# Altium PCB MioMicro.PcbDoc
Units mil, origin at the board's own origin, x right, y up, seen from the top; angles counter-clockwise.
Board outline 1750 x 1115 mil, 6 copper layers (Top Layer 1, GND_Layer, Top signal, VCC_Layer, Bottom signal, Bottom Layer 1), stack 32.112 mil thick; 44 components, 49 nets, 229 pads, 45 vias.
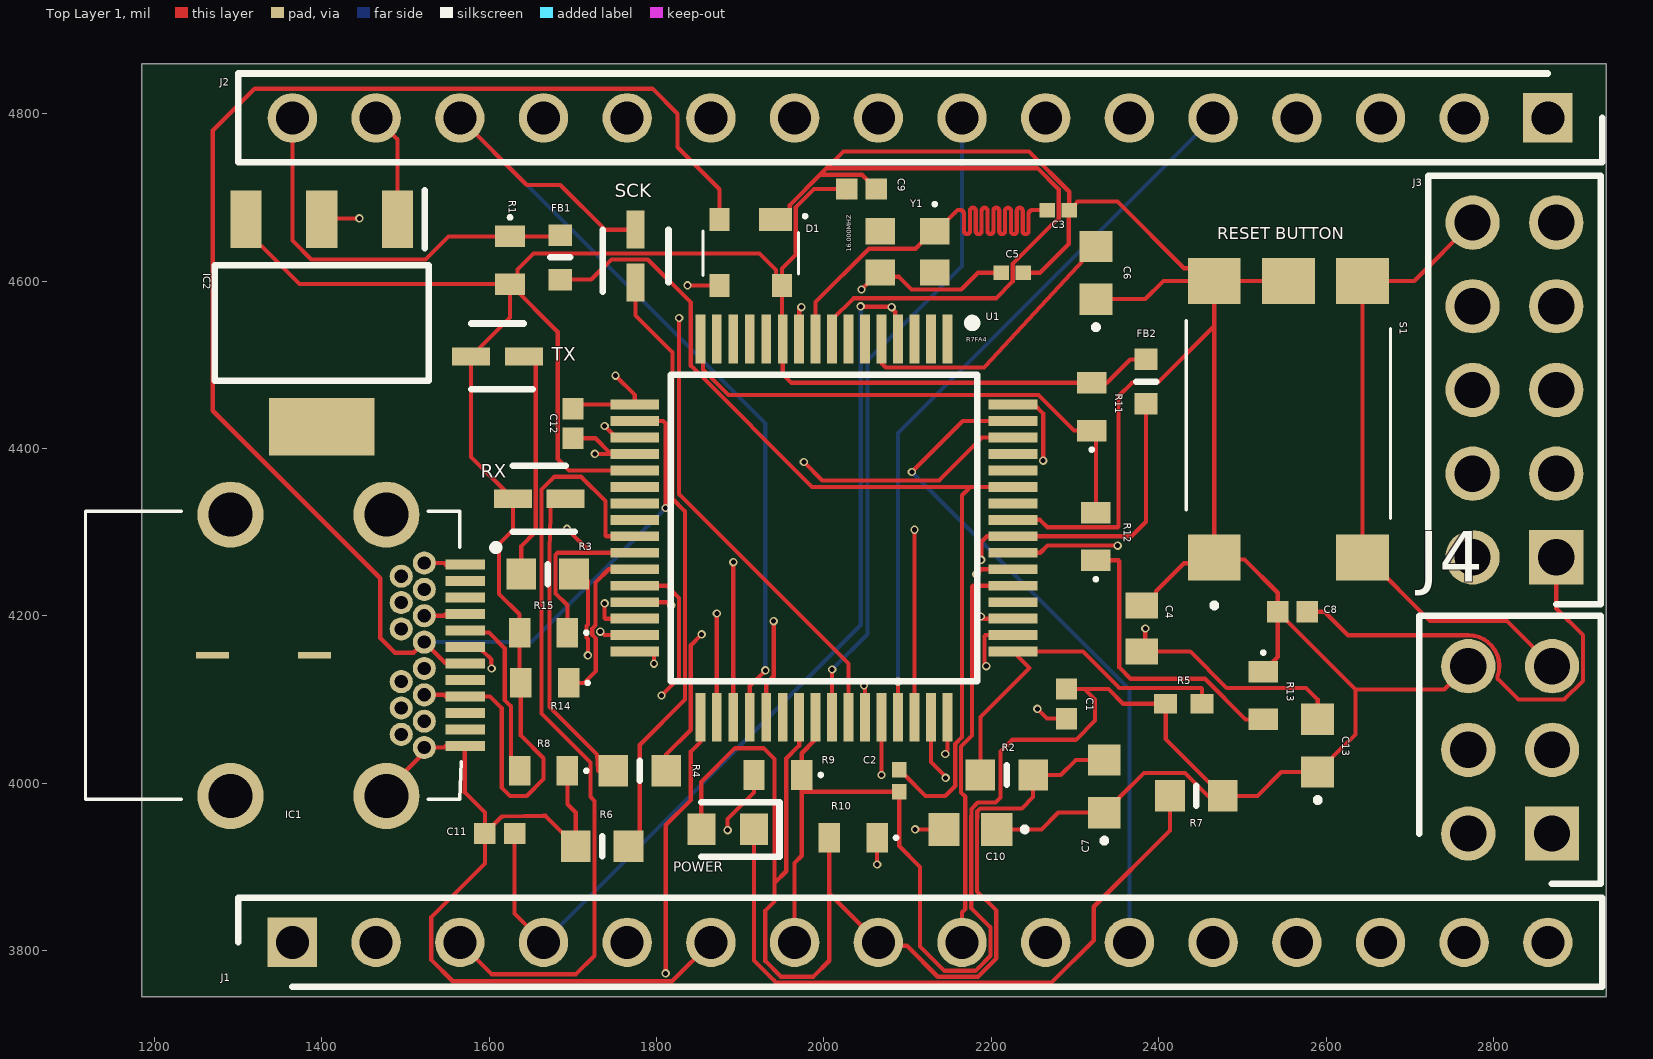
[diagram p0: Top Layer 1 view]
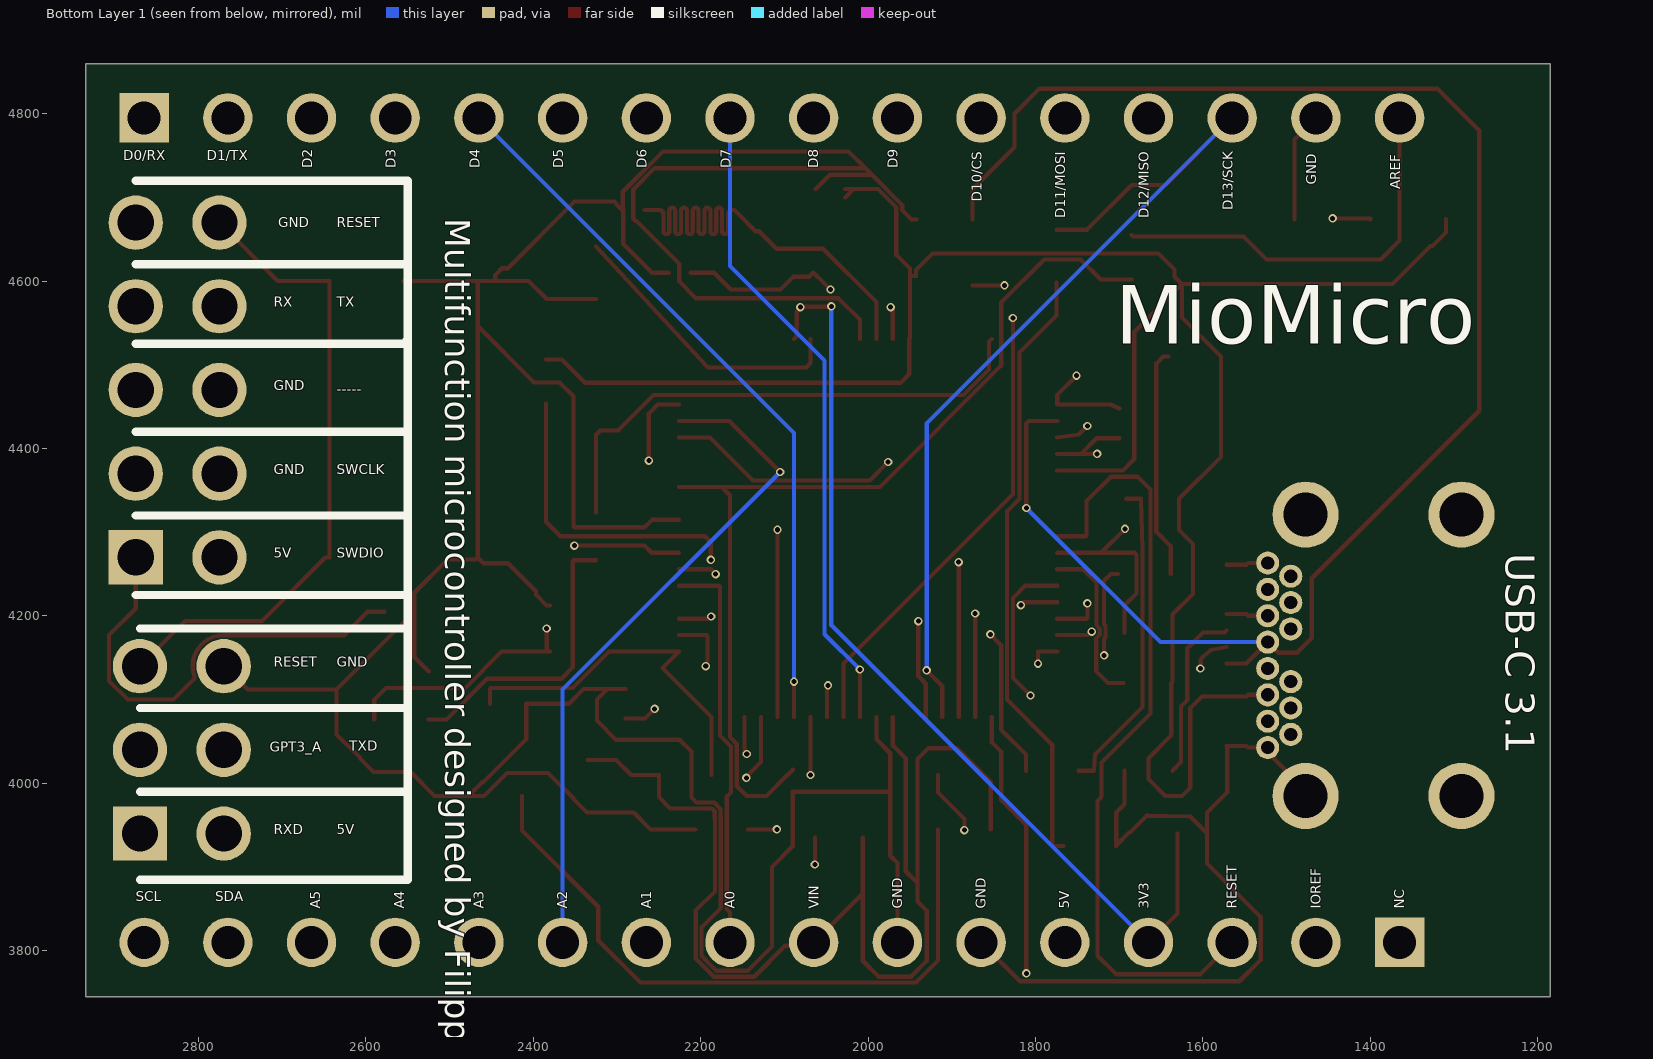
[diagram p1: Bottom Layer 1 view, seen from below]
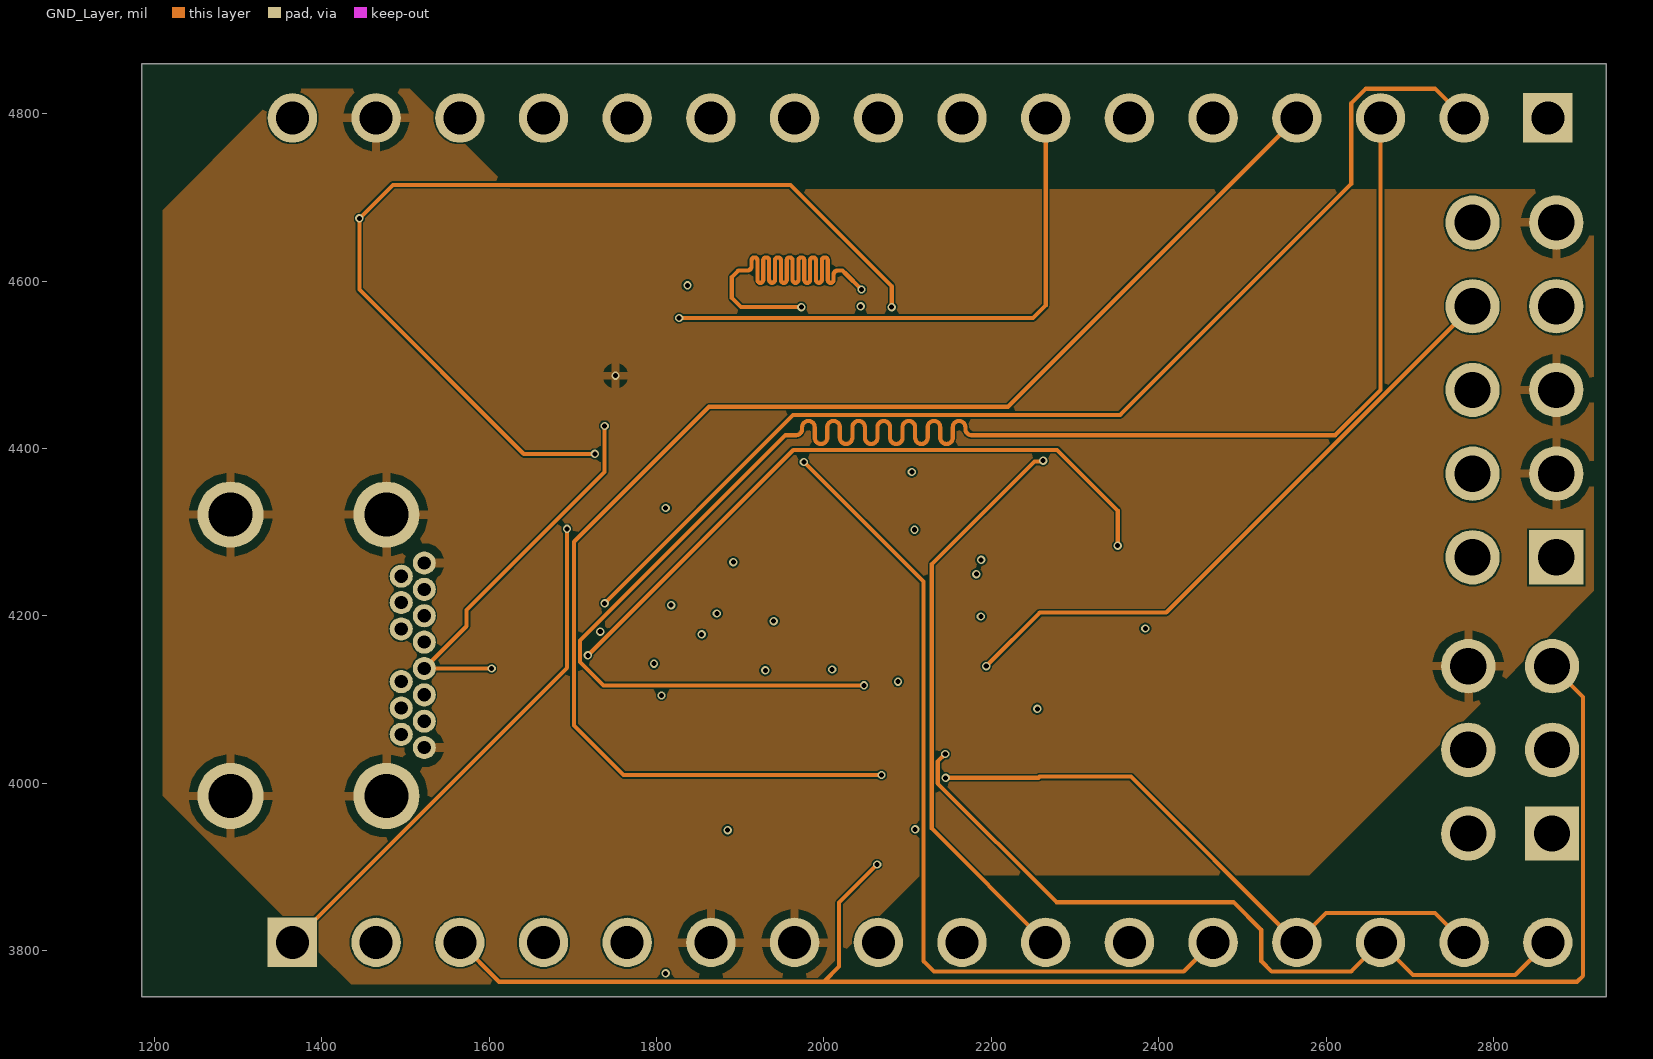
[diagram p2: GND_Layer]
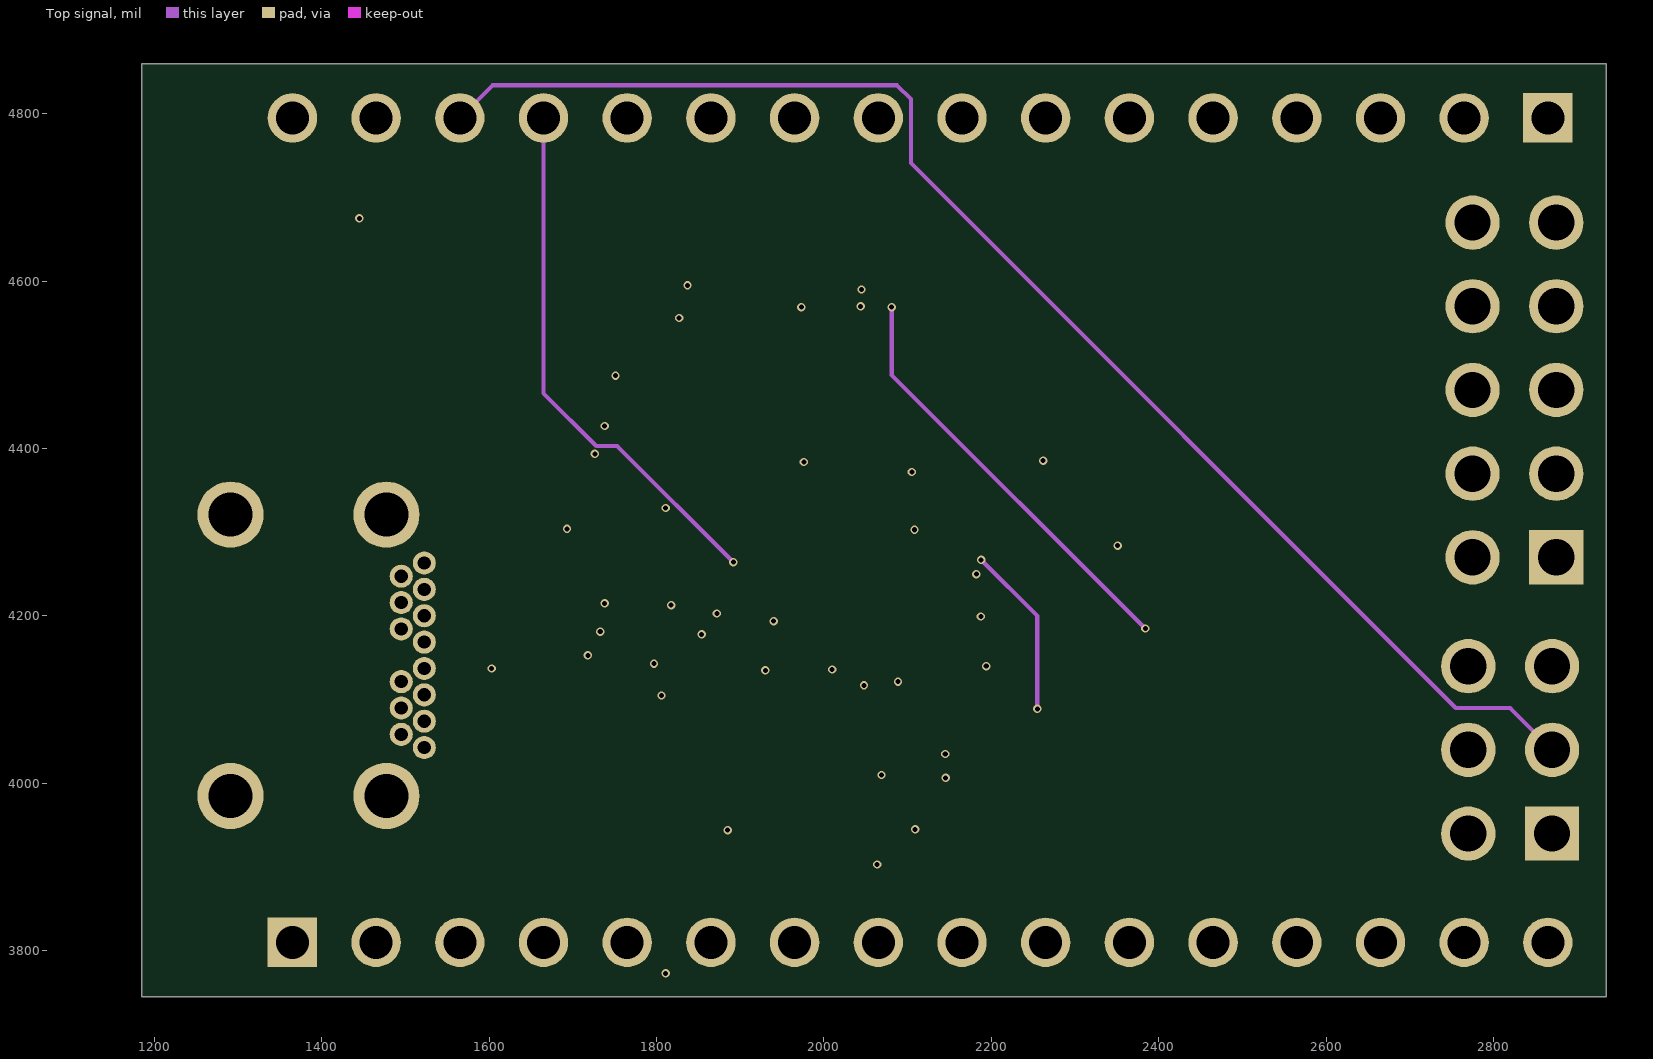
[diagram p3: Top signal]
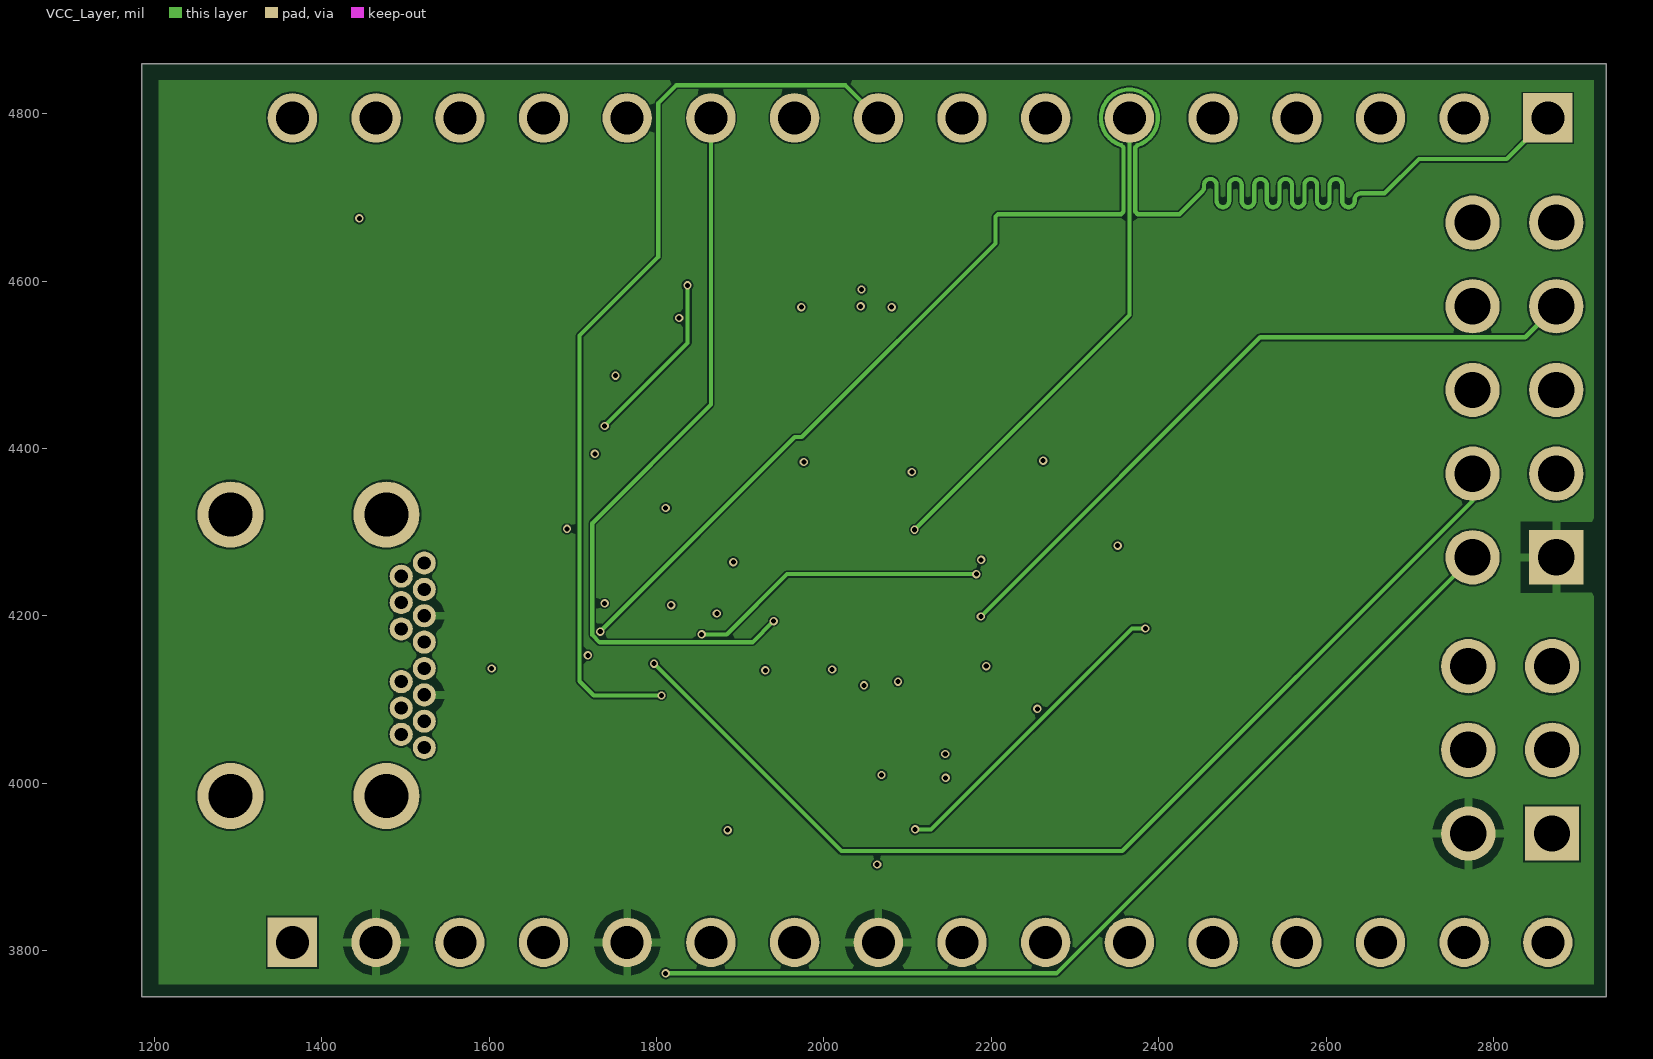
[diagram p4: VCC_Layer]
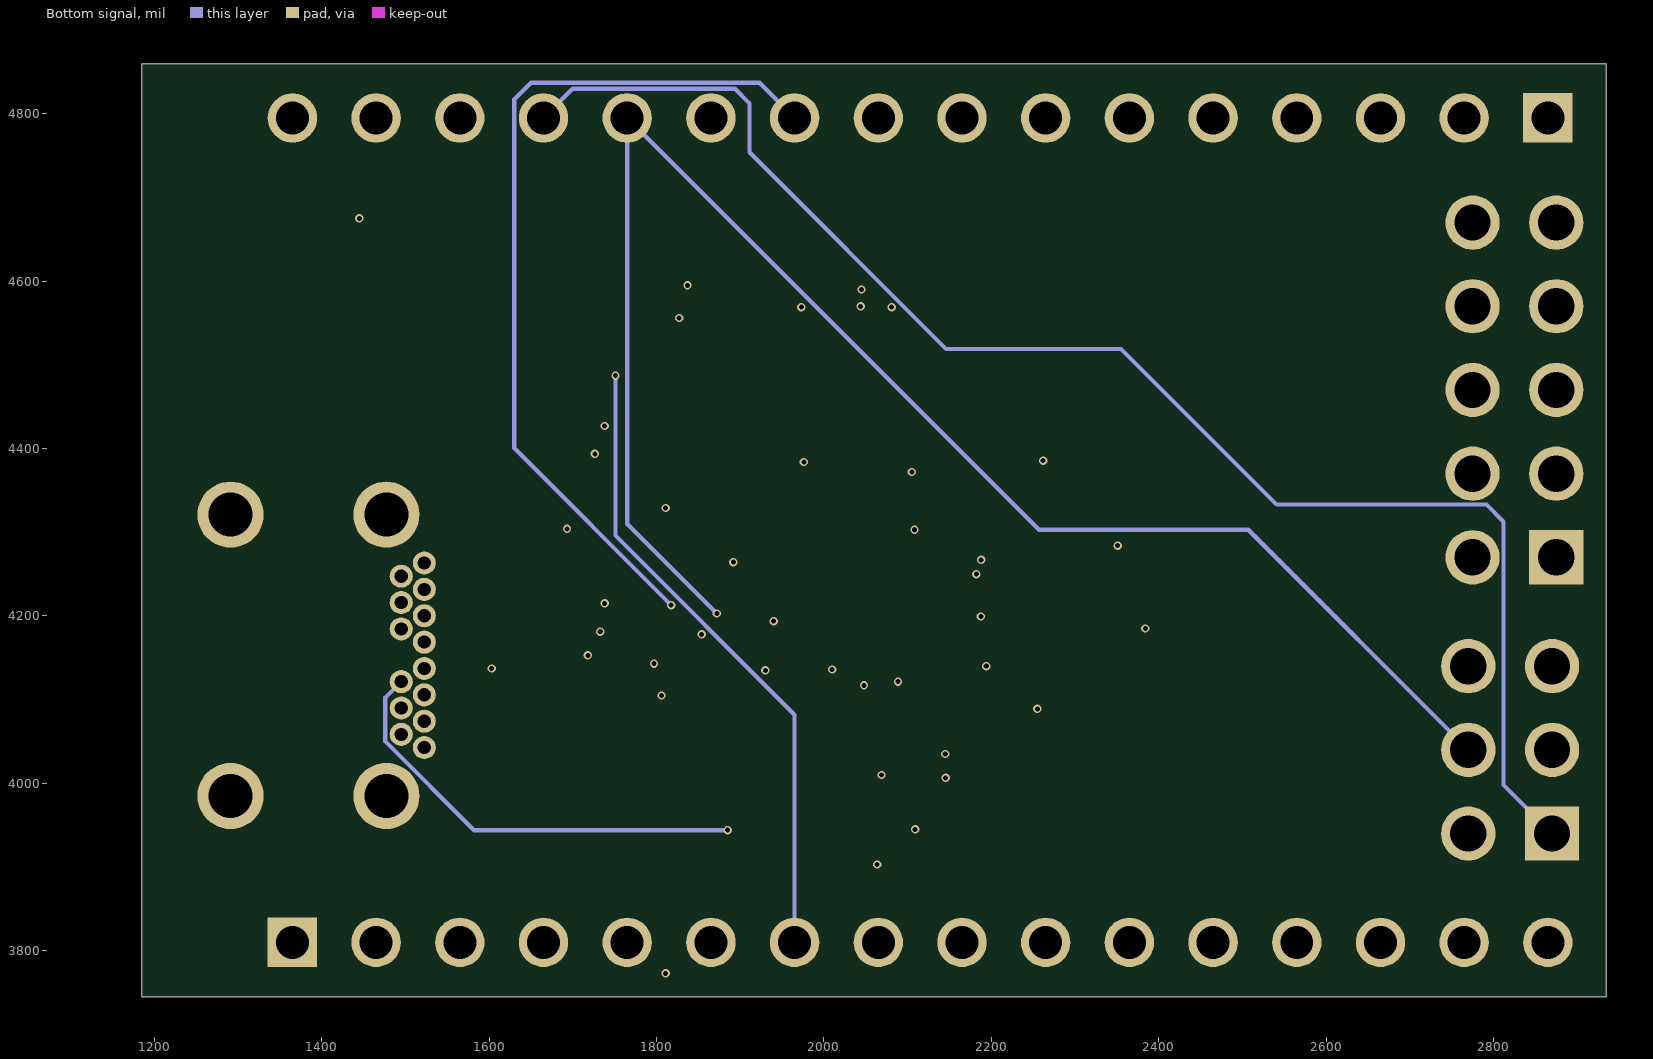
[diagram p5: Bottom signal]
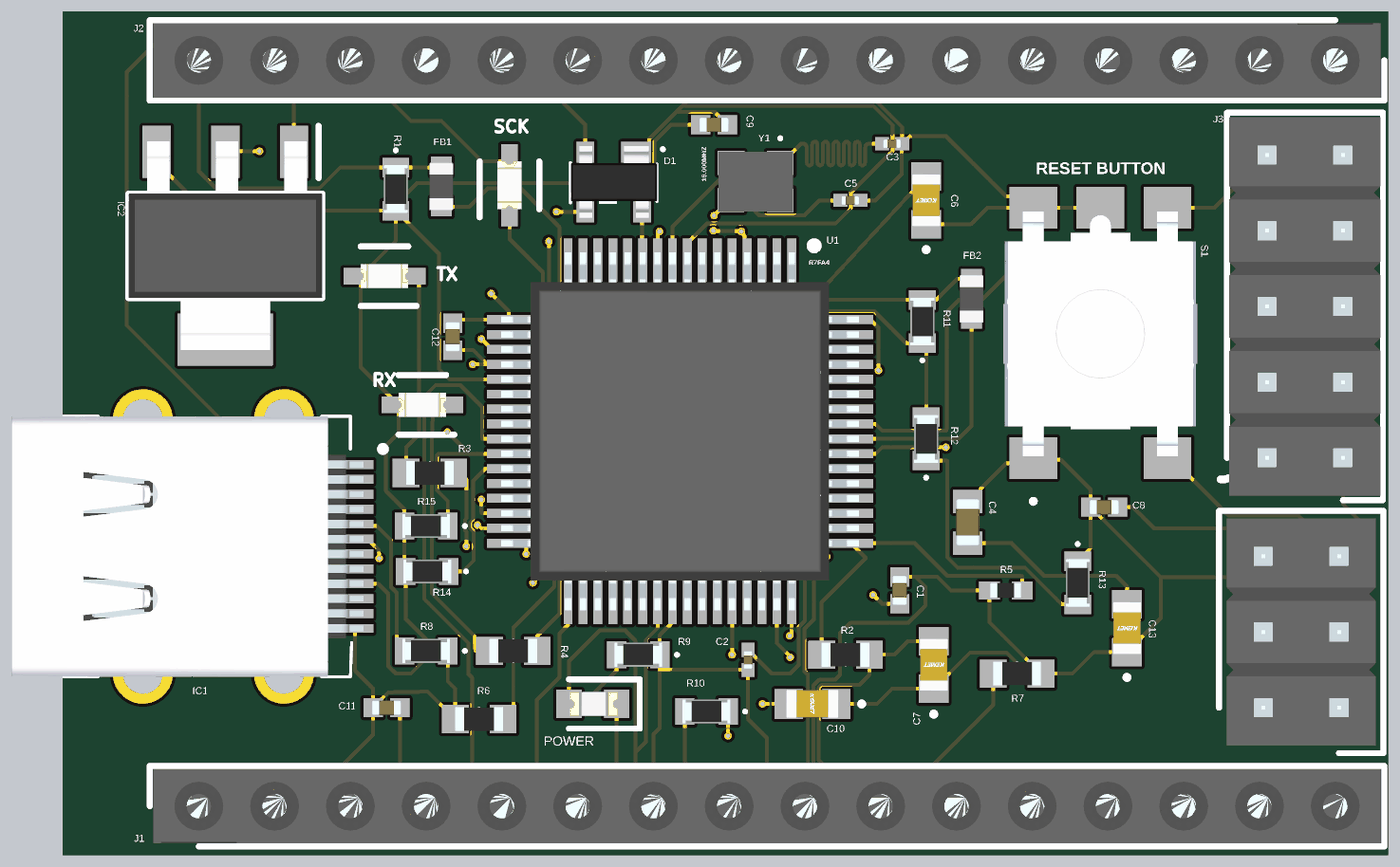
[diagram p6: 3D render of the assembled board from above, using the file's embedded part models]

## Layer stack, top to bottom
Top Solder: solder mask 0.4, Solder Resist, Dk 3.5
Top Layer 1: signal copper 1.378
Dielectric 4: prepreg 2.8, PP-006, Dk 4.1
GND_Layer: signal copper 1.4
Dielectric 2: prepreg 2.8, PP-006, Dk 4.1
Top signal: signal copper 1.378
Dielectric 1: dielectric 12.6, FR-4, Dk 4.8
VCC_Layer: signal copper 1.378
Dielectric 3: prepreg 2.8, PP-006, Dk 4.1
Bottom signal: signal copper 1.4
Dielectric 5: prepreg 2.8, PP-006, Dk 4.1
Bottom Layer 1: signal copper 1.378
Bottom Solder: solder mask 0.4, Solder Resist, Dk 3.5

## Board outline
1185,3745 1185,4860 2935,4860 2935,3745

## Design rules (kind name [scope] priority, off if disabled: settings)
Clearance [All] p1: gap=2 ignorepadtopadclearanceinfootprint=FALSE except(0: Arc-Hole Track-Hole SMDPad-Hole THPad-Hole Via-Hole Fill-Hole Poly-Hole Region-Hole Text-Hole; 10: Arc-Text Track-Text SMDPad-Text THPad-Text Via-Text Fill-Text Poly-Text Region-Text Text-Text)
PolygonConnect [All] p1: connectstyle=Relief reliefconductorwidth=10 reliefentries=4 polygonreliefangle="90 Angle" airgapwidth=10
RoutingVias [All] p1: holewidth=6 width=10 viastyle="Through Hole" minholewidth=2.5 minwidth=5 maxholewidth=28 maxwidth=50
SolderMaskExpansion [All] p1: expansion=4 istentingtop=FALSE
Width [All] p1: maxlimit=10 minlimit=2 preferedwidth=5 midlayer2_minwidth=3 midlayer3_minwidth=3 minimp=50.000000 maximp=50.000000 favimp=50.000000
30 further rules are at their usual default settings.

## Classes and differential pairs
component class MioMicro: C1 C2 C3 C4 C5 C6 C7 C8 C9 C10 C11 C12 C13 D1 FB1 FB2 IC1 IC2 J1 J2 J3 J4 R1 R2 R3 R4 R5 R6 R7 R8 R9 R10 R11 R12 R13 R14 S1 U1 Y1

## Components (designator, comment, footprint, x,y, rotation, side; value= is the part's Value field where it differs from the comment)
C1 "04025C104KAT2A" CAPC1005X56N 2290,4095 r90 top
C2 "02016D474KAT2A" CAPC0603X33N 2090,4003.19 r90 top
C3 "02013A150GAT2A" CAPC0603X33N 2280,4685 r0 top
C4 "06033G104ZAT2A" CAPC1608X90N 2380,4185 r270 top
C5 "02013A150GAT2A" CAPC0603X33N 2225,4610 r0 top
C6 "C0603C475K9PACTU" C0603 2325,4610 r90 top
C7 "C0603C475K9PACTU" C0603 2335,3996.5 r90 top
C8 "04025C104KAT2A" CAPC1005X56N 2560,4205 r0 top
C9 "04025C104KAT2A" CAPC1005X56N 2045,4710 r180 top
C10 "C0603C475K9PACTU" C0603 2175,3945 r180 top
C11 "04025C104KAT2A" CAPC1005X56N 1612.72,3940 r0 top
C12 "04025C104KAT2A" CAPC1005X56N 1700,4430 r270 top
C13 "C0603C475K9PACTU" C0603 2590,4045 r90 top
D1 "PRTR5V0U2X,215" PRTR5V0U2X 1912.6,4634.37 r180 top
FB1 "BLM18PG471SN1D" BLM18SP221SN1B 1685,4628.43 r90 top
FB2 "BLM18PG471SN1D" BLM18SP221SN1B 2385,4480 r270 top
IC1 "632723100011" 632723100011 1363.9,4152.99 r270 top locked
IC2 "LM1117IMP-3.3_NOPB" SOT230P700X180-4N 1400,4550 r270 top
J1 "61301611821" RHDR16W82P0X254_1X16_4114X250X865P 1365,3810 r0 top
J2 "61301611821" RHDR16W82P0X254_1X16_4114X250X865P 2865,4795 r180 top
J3 "61301021121" HDRV10W64P254X254_2X5_1270X508X869P 2875,4270 r90 top
J4 "PH2-06-UA" HDRV6W64P254_2X3_762X500X901P 2870,3940 r90 top
LED1 "SML-D12Y8WT86" LEDM1620X150N 1610,4510 r180 top
LED2 "SML-D12Y8WT86" LEDM1620X150N 1660,4340 r180 top
LED3 "HSMG-C190" LEDC1608X90N 1885,3945 r180 top
LED4 "SML-D12Y8WT86" LEDM1620X150N 1775,4630 r90 top
R1 "ERA-3AED512V" ERA3AEB101V 1625,4625 r270 top
R2 "CR0603-JW-104ELF" RESC1608X55N 2218.5,4010 r0 top
R3 "CR0603-FX-3300GLF" RESC1608X55N 1670,4250 r0 top
R4 "CR0603-FX-3300GLF" RESC1608X55N 1780,4015 r0 top
R5 "RK73H1ETTP1372F" RESC1005X40N 2430,4095 r0 top
R6 "CR0603-FX-3300GLF" RESC1608X55N 1735,3925 r180 top
R7 "CR0603-FX-3300GLF" RESC1608X55N 2445,3985 r0 top
R8 "ERA-3AED512V" ERA3AEB101V 1665,4015 r180 top
R9 "ERA-3AED512V" ERA3AEB101V 1945,4010 r180 top
R10 "ERA-3AED512V" ERA3AEB101V 2035,3935 r180 top
R11 "ERA-3AED512V" ERA3AEB101V 2320,4450 r90 top
R12 "ERA-3AED512V" ERA3AEB101V 2325,4295 r90 top
R13 "ERA-3AED512V" ERA3AEB101V 2525,4105 r270 top
R14 "ERA-3AED512V" ERA3AEB101V 1666.46,4120 r180 top
R15 "ERA-3AED512V" ERA3AEB101V 1665,4180 r180 top
S1 "1571636-3" 15716363 2555,4435 r90 top
U1 "R7FA4M1AB3CFM#AA0" QFP50P1200X1200X170-64N 2000,4305 r270 top
Y1 "ABM10-16.000MHZ-1-N20" ABM10 2100,4635 r180 top
